# Altium PCB DSP-V1.0.PcbDoc (part 2 of 2)
Units mil, origin at the board's own origin, x right, y up, seen from the top; angles counter-clockwise.
Board outline 3779.53 x 1968.5 mil, 2 copper layers (Top Layer, Bottom Layer); 226 components, 113 nets, 562 pads, 492 vias.
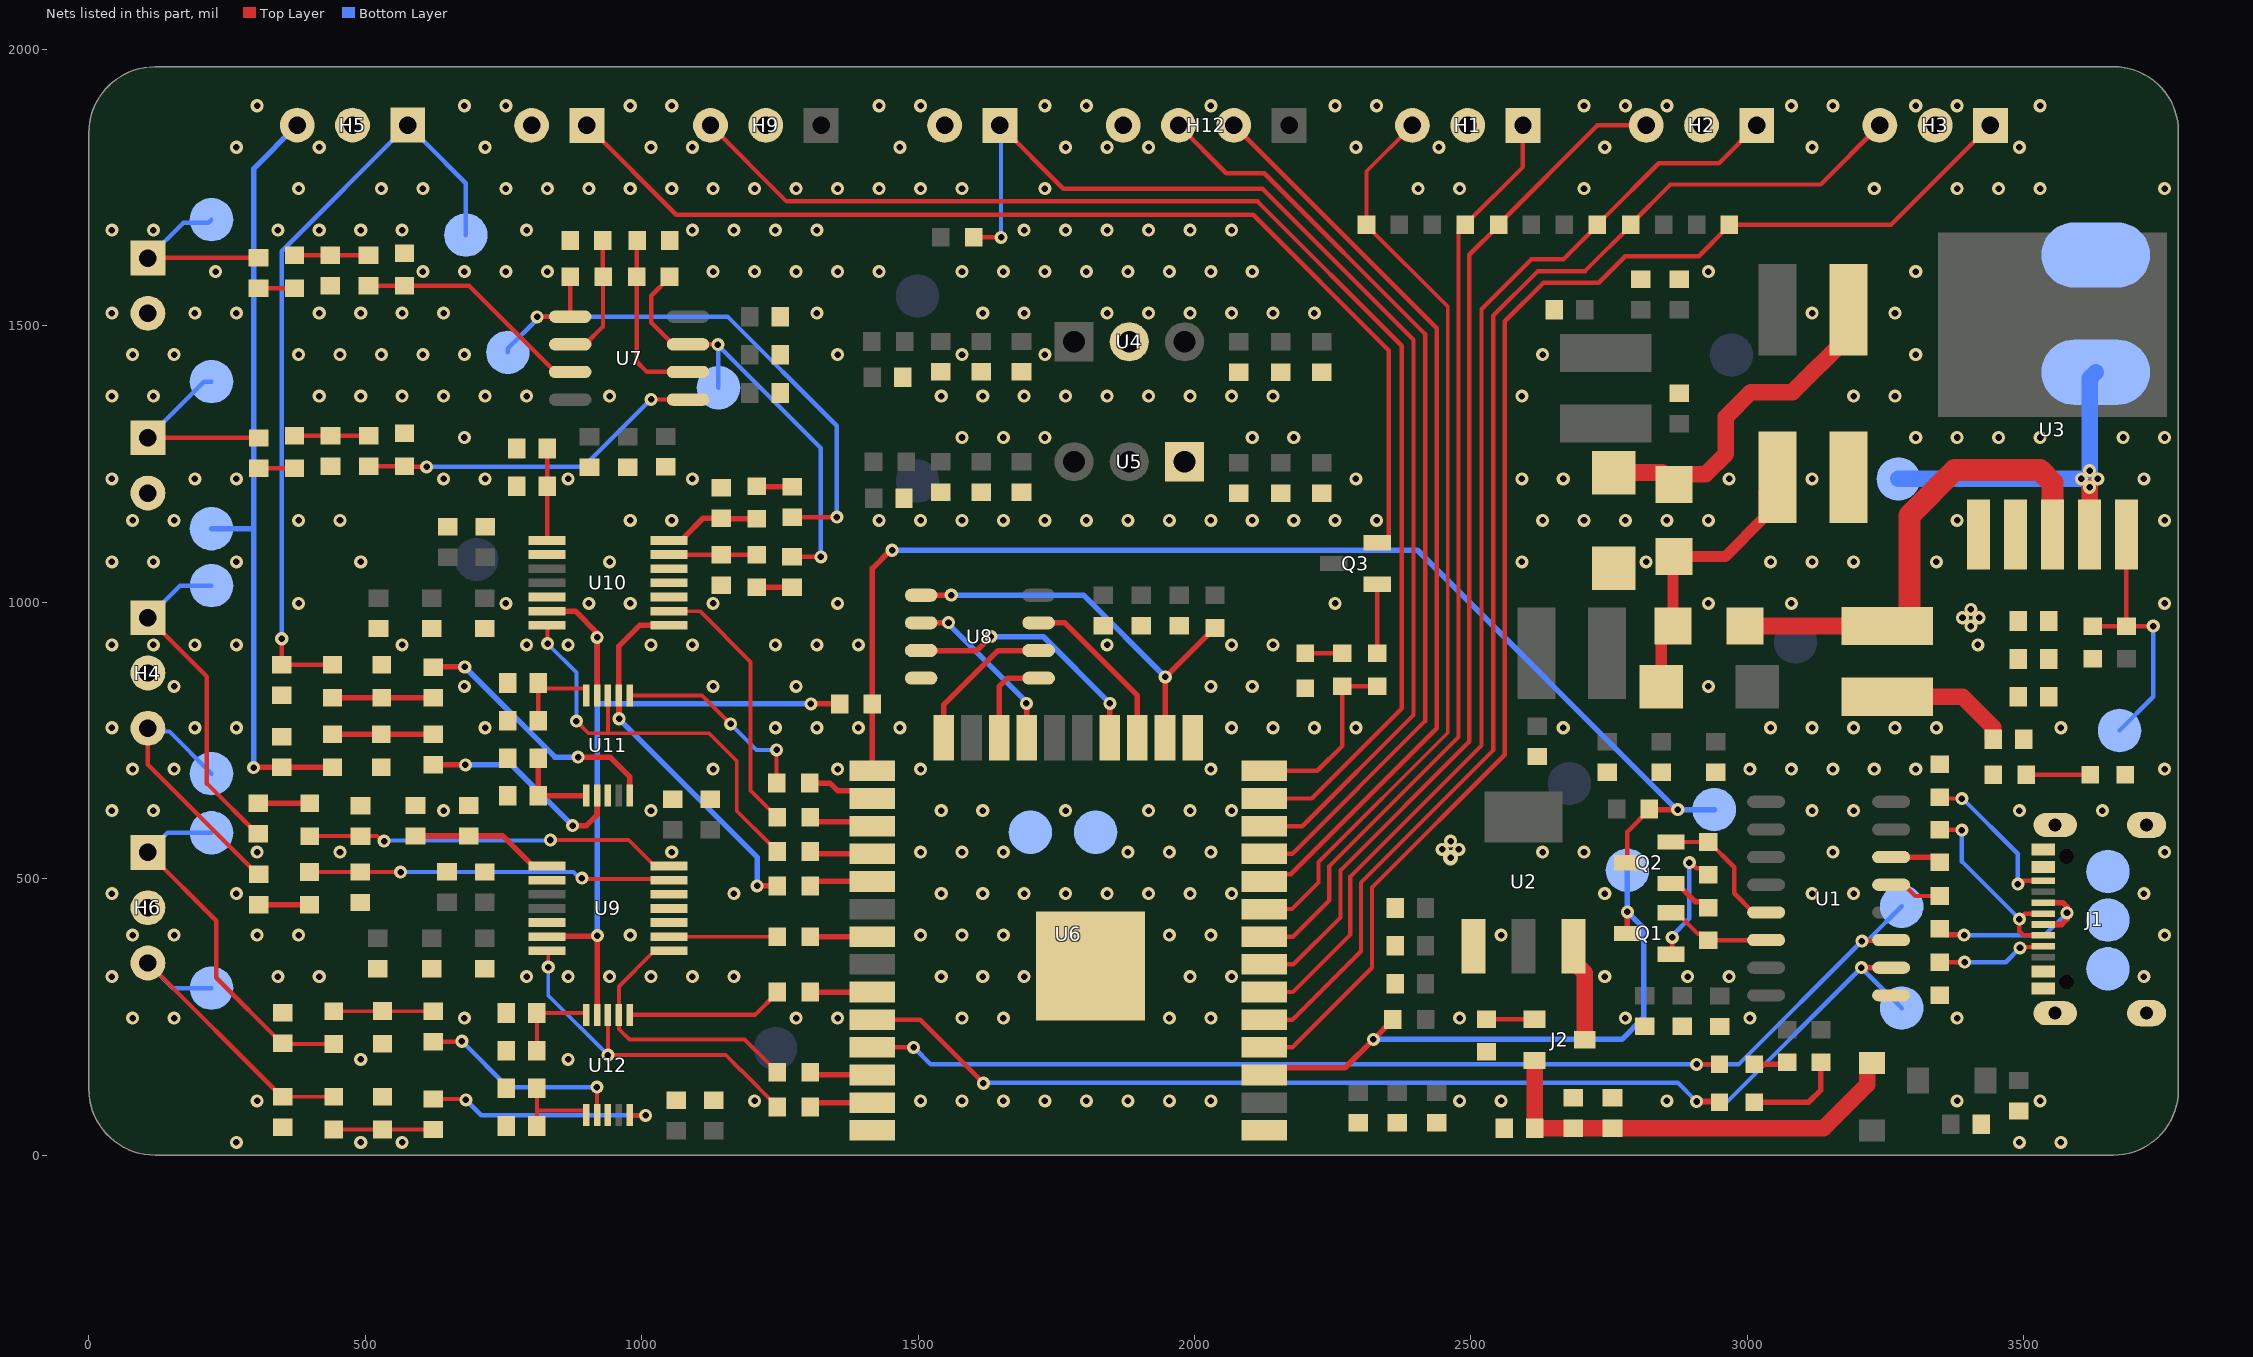
[diagram p2: the nets of this part, all layers, seen from the top]

## Via types
v1: diameter 23.62, hole 11.81, Top Layer to Bottom Layer, tented both sides, 491 vias
v2: diameter 27.56, hole 11.81, Top Layer to Bottom Layer, tented both sides, 1 vias

## Nets (pads, with @x,y where several pads share a name; then routed paths per layer and width w, separated by ;. In a path a pad name is that pad's centre, name@x,y a point inside that pad or via, vN(x,y) a via of type N, cw(c..) or ccw(c..) an arc to the next point about the centre after c; other vN are vias at no path point) (continued)
A1: H1.3 R25.1 U6.9 | length 1679.6
  Top Layer w7: U6.9@2125.98,445 2176,445 2224,493 2224,530 2458,764 2458,1534.59 2311,1681.59 R25.1@2311,1682.72 2311,1779.51 H1.3@2394,1862.5
A2: H2.3 R27.1 U6.7 | length 1886.5
  Top Layer w8: U6.7@2125.98,345 2179,345 2264,430 2264,515 2497,748 2497,1628.59 2550,1681.59 R27.1@2550,1682.72 2550,1683.86 2728.65,1862.5 H2.3@2817,1862.5
A3: H3.3 R29.1 U6.5 | length 2317.9
  Top Layer w8: U6.5@2125.98,245 2177,245 2301,369 2301,493 2540,732 2540,1518 2621,1599 2706.41,1599 2789,1681.59 R29.1@2789,1682.72 2789,1683.86 2860.71,1755.57 3132.59,1755.57 H3.3@3239.53,1862.5
AOUTL-C1: C95.1 H6.1 R54.2 TP28.1 | length 669.6
  Top Layer w7: C95.1@352.42,201.03 R54.2@443,201.03
  Top Layer w8: H6.1@107,547.5 230.53,423.97 230.53,320.94 350.45,201.03 C95.1@352.42,201.03
  Bottom Layer w8: H6.1@107,547.5 142.5,583 TP28.1@222,583
AOUTL-C2: C85.1 H5.3 R50.2 TP26.1 | length 1414.1
  Top Layer w10: v1(298,701) 298.93,701.92 C85.1@349,701.92 R50.2@441,701.92
  Bottom Layer w10: TP26.1@222,1133 298,1133 ; v1(298,701) 298,1133 ; H5.3@377,1863 298,1784 298,1133
AOUTR-C1: C93.1 H6.3 R52.2 TP27.1 | length 570
  Top Layer w7: C93.1@351,105.66 R52.2@443,105.66
  Top Layer w8: H6.3@107,347.5 107.19,347.5 349.03,105.66 C93.1@351,105.66
  Bottom Layer w8: H6.3@107,347.5 152.5,302 TP27.1@222,302
AOUTR-C2: C83.1 H5.1 R46.2 TP25.1 | length 1405.3
  Top Layer w8: v1(349,934) C83.1@349,886.66 R46.2@441,886.66
  Bottom Layer w8: v1(349,934) 349,1635 H5.1@577,1863 604.5,1835.5 682,1758 TP25.1@682,1664
B1: H1.1 R24.2 U6.8 | length 1691.8
  Top Layer w8: U6.8@2125.98,395 2178,395 2244,461 2244,523 2477.45,756.44 2477.45,1670.85 R24.2@2489.32,1682.72 2594,1787.4 H1.1@2594,1862.5
B2: H2.1 R26.2 U6.6 | length 2065.3
  Top Layer w8: U6.6@2125.98,295 2178,295 2282,399 2282,504 2519,741 2519,1530 2609,1620 2666.73,1620 2728.32,1681.59 2728.32,1683.86 2740.2,1695.73 2741.33,1695.73 2839.6,1794 2948.5,1794 H2.1@3017,1862.5
B3: H3.1 R28.2 U6.4 | length 2549.1
  Top Layer w8: U6.4@2125.98,195 2177,195 2321,339 2321,484 2561,724 2561,1508 2631,1578 2731,1578 2779,1626 2911.73,1626 2967.32,1681.59 R28.2@2967.32,1682.72 3259.75,1682.72 H3.1@3439.53,1862.5
BCK-1: R18.2 U9.8 U12.2 | length 513.5
  Top Layer w7: U9.8@1049.24,369.41 1044.86,365.04 1019.04,365.04 958.69,304.69 U12.2@958.69,253.55 959.29,252.95 959.29,227.71 978,209 1186.34,209 1231.83,163.51 1232.97,163.51 1245.34,151.13 R18.2@1245.34,150
BCK-2: R21.2 U10.8 U11.2 | length 679.8
  Top Layer w10: v1(959.31,789.31) 959,789.63 959,831.24 U11.2@958.69,831.55 958.69,920.69 996.24,958.23 U10.8@1049.24,958.23 ; v1(1209,487) R21.2@1245.34,487
  Bottom Layer w10: v1(959.31,789.31) 959.31,788.69 1209,539 v1(1209,487)
BUTTON_STATUS: H10.1 R30.1 U6.12 | length 2193.5
  Top Layer w8: R30.1@1600.66,1660 v1(1650,1660) ; H10.1@1648,1862.5 1762.5,1748 2123,1748 2396,1475 2396,796 2195,595 U6.12@2125.98,595
  Bottom Layer w8: H10.1@1648,1862.5 1650,1860.5 v1(1650,1660)
CE_PSRAM64H: R33.1 U6.16 U8.1 | length 739.8
  Top Layer w10: U8.1@1505.48,1012.69 1559.69,1012.69 v1(1560,1013) ; U6.16@1946.65,754.85 1947,755.2 v1(1947,865) 1947.5,865 2035.87,953.37 R33.1@2037,953.37
  Bottom Layer w10: v1(1560,1013) 1799,1013 v1(1947,865)
D_N: R5.2 U1.6 | length 91.8
  Top Layer w10: U1.6@3259.98,539 3338.12,539 R5.2@3347.78,529.34
D_P: R4.2 U1.5 | length 96.2
  Top Layer w8: U1.5@3259.98,489 3283.31,489 3303.65,468.66 R4.2@3347.78,468.66
DOUT-1: R44.1 U6.31 | length 112.7
  Top Layer w10: R44.1@1304.66,395 U6.31@1417.33,395
DOUT-2: R45.1 U6.27 | length 119.3
  Top Layer w7: R45.1@1304.66,611 R45.1@1312.66,603 ; U6.27@1409.33,603 U6.27@1417.33,595
  Top Layer w10: R45.1@1312.66,603 U6.27@1409.33,603
DTR_CH340: Q2.2 R7.1 U1.13 | length 252.6
  Top Layer w8: Q2.2@2861.63,566.32 R7.1@2929.26,566.32 2930.39,566.32 2976,520.71 2976,473.47 3010.47,439 U1.13@3033.8,439
EN: Q1.3 R13.2 TP9.1 U6.3 | length 1097.4
  Top Layer w10: U6.3@2125.98,145 2138.98,158 2272.09,158 v1(2323.54,209.46) 2358.46,244.37 R13.2@2358.46,245.5 ; Q1.3@2782.89,400.92 2783,401.03 v1(2783,440)
  Bottom Layer w10: v1(2323.54,209.46) 2772.95,209.46 2812.18,248.69 2812.18,410.82 v1(2783,440) 2782.95,440.05 2782.95,515.09 TP9.1@2782.89,515.14
GND: C1.1 C2.1 C3.1 C4.1 C5.1 C6.1 C7.1 C8.1 C9.1 C10.1 C11.1 C12.1 C13.2 C14.1 C15.1 C16.1 C17.2 C20.2 C21.1 C22.1 C23.1 C24.1 C25.1 C26.1 C27.2 C28.1 C29.1 C30.1 C31.1 C32.1 C33.1 C34.1 C35.1 C36.1 C37.1 C38.1 C39.1 C40.1 C41.1 C42.1 C47.1 C48.1 C49.1 C50.2 C51.2 C52.1 C53.1 C54.1 C55.1 C56.1 C57.1 C58.1 C59.1 C61.1 C62.1 C64.1 C65.1 C66.1 C67.1 C68.1 C69.1 C70.2 C71.2 C72.1 C73.1 C74.1 C75.1 C78.2 C79.2 C81.1 C82.1 C83.2 C85.2 C86.1 C87.1 C88.1 C89.1 C91.1 C92.1 C93.2 C95.2 C96.1 C97.1 C98.1 C99.1 D3.1 D4.1 D8.1 H1.2 H2.2 H3.2 H4.2 H5.2 H6.2 H7.2 H8.2 H9.2 H10.2 H11.2 H12.4 J1.1 J1.12 J1.13 J1.14 L4.1 R1.2 R2.2 R3.2 R12.1 R34.1 R35.1 R36.1 R38.1 R48.1 R51.1 R53.1 R55.1 SP2.1 TP5.1 TP11.1 TP13.1 TP15.1 TP16.1 U1.1 U2.1 U3.1 U4.2 U5.1 U6.1 U6.15 U6.38 U6.39 U8.4 U9.2 U9.5 U9.10 U9.11 U9.12 U10.2 U10.5 U10.10 U10.11 U10.12 U11.8 U12.8
  other v1: 266.89,23 491.89,23 566.89,23 3491.89,23 3566.89,23 304.39,98 1204.39,98 1504.39,98 1579.39,98 1654.39,98 1729.39,98 1804.39,98 1879.39,98 1954.39,98 2029.39,98 2479.39,98 2554.39,98 2854.39,98 3379.39,98 3529.39,98 491.89,173 866.89,173 79.39,248 154.39,248 679.39,248 1279.39,248 1354.39,248 1579.39,248 1654.39,248 1954.39,248 2029.39,248 2479.39,248 2779.39,248 3004.39,248 3379.39,248 41.89,323 341.89,323 416.89,323 791.89,323 866.89,323 941.89,323 1016.89,323 1091.89,323 1166.89,323 1541.89,323 1616.89,323 1691.89,323 1991.89,323 2066.89,323 2741.89,323 2891.89,323 2966.89,323 3716.89,323 79.39,398 154.39,398 304.39,398 379.39,398 979.39,398 1504.39,398 1579.39,398 1654.39,398 1954.39,398 2029.39,398 2554.39,398 3754.39,398 41.89,473 266.89,473 1166.89,473 1541.89,473 1616.89,473 1691.89,473 1766.89,473 1841.89,473 1916.89,473 1991.89,473 2066.89,473 2741.89,473 3116.89,473 3191.89,473 3716.89,473 304.39,548 454.39,548 1054.39,548 1504.39,548 1579.39,548 1654.39,548 1879.39,548 1954.39,548 2029.39,548 2629.39,548 2704.39,548 3154.39,548 3754.39,548 2448,553 2478,553 2463,568 41.89,623 116.89,623 641.89,623 1016.89,623 1541.89,623 1616.89,623 1766.89,623 1916.89,623 1991.89,623 2066.89,623 3116.89,623 3191.89,623 3491.89,623 3641.89,623 79.39,698 154.39,698 1129.39,698 1354.39,698 1504.39,698 2029.39,698 3004.39,698 3079.39,698 3154.39,698 3229.39,698 3304.39,698 3754.39,698 41.89,773 191.89,773 266.89,773 716.89,773 1241.89,773 1316.89,773 1391.89,773 1466.89,773 2066.89,773 2141.89,773 2216.89,773 2291.89,773 2666.89,773 3041.89,773 3116.89,773 3191.89,773 3266.89,773 3341.89,773 3566.89,773 154.39,848 679.39,848 1129.39,848 1279.39,848 2029.39,848 2104.39,848 2929.39,848 41.89,923 116.89,923 191.89,923 266.89,923 566.89,923 791.89,923 866.89,923 1016.89,923 1091.89,923 1241.89,923 1316.89,923 1391.89,923 1841.89,923 2066.89,923 2141.89,923 3416.89,923 3404,957 3389,972 3419,972 3404,987 379.39,998 754.39,998 904.39,998 979.39,998 1129.39,998 1354.39,998 2254.39,998 2929.39,998 3079.39,998 3754.39,998 41.89,1073 116.89,1073 266.89,1073 491.89,1073 941.89,1073 2591.89,1073 2816.89,1073 3041.89,1073 3116.89,1073 3191.89,1073 3341.89,1073 79.39,1148 154.39,1148 379.39,1148 454.39,1148 979.39,1148 1054.39,1148 1429.39,1148 1504.39,1148 1579.39,1148 1654.39,1148 1729.39,1148 1804.39,1148 1879.39,1148 1954.39,1148 2029.39,1148 2104.39,1148 2179.39,1148 2254.39,1148 2329.39,1148 2629.39,1148 2704.39,1148 2779.39,1148 2854.39,1148 2929.39,1148 3379.39,1148 3754.39,1148 41.89,1223 191.89,1223 266.89,1223 641.89,1223 716.89,1223 866.89,1223 1091.89,1223 2291.89,1223 2591.89,1223 2666.89,1223 2966.89,1223 3116.89,1223 3716.89,1223 679.39,1298 1579.39,1298 1654.39,1298 1729.39,1298 2104.39,1298 2179.39,1298 3304.39,1298 3379.39,1298 3454.39,1298 3529.39,1298 3679.39,1298 3754.39,1298 41.89,1373 116.89,1373 416.89,1373 491.89,1373 566.89,1373 641.89,1373 716.89,1373 791.89,1373 941.89,1373 1541.89,1373 1616.89,1373 1691.89,1373 1766.89,1373 1841.89,1373 1916.89,1373 1991.89,1373 2066.89,1373 2141.89,1373 2591.89,1373 3191.89,1373 3266.89,1373 79.39,1448 154.39,1448 379.39,1448 454.39,1448 529.39,1448 604.39,1448 679.39,1448 1354.39,1448 1579.39,1448 1729.39,1448 2629.39,1448 3304.39,1448 41.89,1523 191.89,1523 266.89,1523 416.89,1523 491.89,1523 566.89,1523 641.89,1523 1316.89,1523 1616.89,1523 1691.89,1523 1841.89,1523 1916.89,1523 1991.89,1523 2066.89,1523 2141.89,1523 2216.89,1523 3116.89,1523 3266.89,1523 229.39,1598 604.39,1598 679.39,1598 754.39,1598 829.39,1598 1129.39,1598 1204.39,1598 1279.39,1598 1354.39,1598 1429.39,1598 1579.39,1598 1654.39,1598 1729.39,1598 1804.39,1598 1879.39,1598 1954.39,1598 2029.39,1598 2104.39,1598 2929.39,1598 3304.39,1598 41.89,1673 116.89,1673 341.89,1673 416.89,1673 491.89,1673 566.89,1673 791.89,1673 1091.89,1673 1166.89,1673 1241.89,1673 1316.89,1673 1691.89,1673 1766.89,1673 1841.89,1673 1916.89,1673 1991.89,1673 2066.89,1673 379.39,1748 529.39,1748 604.39,1748 754.39,1748 829.39,1748 904.39,1748 979.39,1748 1054.39,1748 1129.39,1748 1204.39,1748 1279.39,1748 1354.39,1748 1429.39,1748 1504.39,1748 1579.39,1748 1729.39,1748 2404.39,1748 2479.39,1748 2704.39,1748 3229.39,1748 3379.39,1748 3454.39,1748 3529.39,1748 3754.39,1748 266.89,1823 416.89,1823 716.89,1823 1016.89,1823 1091.89,1823 1466.89,1823 1766.89,1823 1841.89,1823 1916.89,1823 2291.89,1823 2441.89,1823 2741.89,1823 3116.89,1823 3491.89,1823 304.39,1898 679.39,1898 754.39,1898 979.39,1898 1054.39,1898 1429.39,1898 1504.39,1898 1729.39,1898 1804.39,1898 2029.39,1898 2254.39,1898 2329.39,1898 2704.39,1898 2779.39,1898 2854.39,1898 3079.39,1898 3154.39,1898 3304.39,1898 3379.39,1898 3529.39,1898
  other v2: 2463,538
I2C1_SCL: H12.3 U6.11 | length 1692.8
  Top Layer w8: H12.3@1971,1862.5 2057.5,1776 2126,1776 2417,1485 2417,785.02 2176.98,545 U6.11@2125.98,545
I2C1_SDA: H12.2 U6.10 | length 1669.3
  Top Layer w8: H12.2@2071,1862.5 2438,1495.5 2438,772 2173.99,507.99 2138.97,507.99 U6.10@2125.98,495
IN-MIC1: C45.2 H7.1 TP19.1 | length 344
  Top Layer w8: H7.1@107,1622.5 107.54,1623.05 C45.2@307,1623.05
  Bottom Layer w8: H7.1@107,1622.5 170.63,1686.13 216.14,1686.13 TP19.1@222,1692
IN-MIC2: C43.2 H8.1 TP18.1 | length 357.4
  Top Layer w8: H8.1@107,1297.5 306.86,1297.5 C43.2@307.22,1297.14
  Bottom Layer w8: H8.1@107,1297.5 208.5,1399 TP18.1@222,1399
IO0: Q2.3 R14.2 R17.1 TP10.1 U6.25 | length 2261
  Top Layer w8: Q2.3@2782.89,528.92 2782.89,585.1 R14.2@2822.66,624.87
  Top Layer w10: U6.25@1417.33,695 R17.1@1417.33,816 1417.33,1061.33 1450,1094 v1(1453,1094) ; R14.2@2822.66,626 2823.66,625 v1(2874,625)
  Bottom Layer w10: v1(1453,1094) 2403,1094 2872,625 v1(2874,625) TP10.1@2940,625
IR1838B: H9.3 U6.13 | length 2388.1
  Top Layer w8: H9.3@1124.53,1862.5 1262.03,1725 2114,1725 2375,1464 2375,808 2212,645 U6.13@2125.98,645
LED_STATUS: R47.1 R49.1 U6.14 | length 331.4
  Top Layer w8: U6.14@2125.98,695 2222,695 2267,740 R49.1@2267,848.34 R47.1@2330.37,848.34
LED_STATUS_NPN: H11.1 Q3.2 | length 1981.9
  Top Layer w8: H11.1@901,1862.5 1062.5,1701 2106,1701 2351,1456 2351,1173 ; Q3.2@2330.37,1107.4 2341.2,1107.4 2350.98,1117.18 2350.98,1172.97
MCLK: R17.2 U9.6 U10.6 U11.4 U12.4 | length 1432.6
  Top Layer w10: U9.6@828.76,395 829.76,396 919,396 v1(920,397) 919.66,396.66 919.66,253.89 U12.4@919.32,253.55 ; U10.6@828.76,983.82 880.18,983.82 919.32,944.68 v1(919.32,936.58) U11.4@919.32,831.55 ; v1(1306,816) R17.2@1358.01,816
  Bottom Layer w10: v1(920,397) 920,816 ; v1@920,935.89 920,816 ; v1(1306,816) 920,816
NetC18_1: C18.1 D4.2 L2.1 | length 631.4
  Top Layer w30: D4.2@2758.53,1234.62 2845.87,1234.62 C18.1@2867.53,1212.96 2885.99,1231.43 2924.43,1231.43 2961,1268 2961,1335 3006,1380 3081.74,1380 3182.51,1480.77 L2.1@3182.51,1529
NetC18_2: C18.2 C19.1 D5.2 L4.2 | length 520.4
  Top Layer w20: D5.2@2844.11,847 2844.11,935.34 C19.1@2865.77,957 2865.77,1081.28 C18.2@2867.53,1083.04 2960.04,1083.04 3030.1,1153.1 3030.1,1201.55 L4.2@3054.55,1226
NetC19_2: C19.2 L5.2 U3.3 | length 884.5
  Top Layer w30: C19.2@2995.69,957 L5.2@3252.53,956.96
  Top Layer w40: L5.2@3252.53,956.96 3278.55,956.96 3293,971.41 3293,1157 3375,1239 3529,1239 3551.69,1216.31 3551.69,1199.26 3551.53,1199.1 U3.3@3551.53,1122.87
NetC43_1: C43.1 R31.1 | length 65
  Top Layer w8: C43.1@307.22,1242.02 R31.1@372.22,1242.02
NetC44_1: C44.1 C50.1 R31.2 | length 134
  Top Layer w8: R31.2@372.22,1301.34 C50.1@437.22,1301.34 C44.1@506.22,1301.34
NetC44_2: C44.2 R34.2 U7.5 | length 628.8
  Top Layer w8: C44.2@506.22,1246.22 R34.2@571.22,1246.22 572.44,1245 v1(611,1245) ; v1(1017,1367) 1017.23,1366.77 1083.58,1366.77 U7.5@1083.81,1366.53
  Bottom Layer w8: v1(611,1245) 895,1245 v1(1017,1367)
NetC45_1: C45.1 R32.1 | length 65
  Top Layer w8: C45.1@307,1567.92 R32.1@372,1567.92
NetC46_1: C46.1 C51.1 R32.2 | length 134
  Top Layer w8: R32.2@372,1627.24 C51.1@437,1627.24 C46.1@506,1627.24
NetC46_2: C46.2 R35.2 U7.3 | length 429.3
  Top Layer w8: C46.2@506,1572.12 R35.2@571,1572.12 688.02,1572.12 843.61,1416.53 U7.3@870.81,1416.53
NetC60_2: C60.2 R40.2 | length 93
  Top Layer w10: C60.2@306.5,636.27 R40.2@399.5,636.27
NetC63_2: C63.2 R41.2 | length 64.5
  Top Layer w10: R41.2@1208,1210.16 1209.1,1209.06 C63.2@1272,1209.06
NetC70_1: C70.1 R40.1 U9.14 | length 673.8
  Top Layer w7: R40.1@399.5,576.95 521.59,576.95 530.54,568 v1(534,568) ; v1(835,570) 976.61,570 1023.65,522.95 U9.14@1049.24,522.95
  Bottom Layer w7: v1(534,568) 535,569 834,569 v1(835,570)
NetC71_1: C71.1 R41.1 U10.14 | length 178
  Top Layer w10: U10.14@1049.24,1111.77 1074.83,1111.77 1077.71,1114.65 1077.71,1118.36 1111.28,1151.94 C71.1@1144,1151.94 1145.1,1150.84 R41.1@1208,1150.84
NetC72_2: C72.2 C73.2 U9.1 | length 260.2
  Top Layer w10: C73.2@591,577.22 C72.2@687.25,577.22 748.9,577.22 803.17,522.95 U9.1@828.76,522.95
NetC74_2: C74.2 C75.2 U10.1 | length 166.5
  Top Layer w8: U10.1@828.76,1111.77 829.37,1112.38 C74.2@829.37,1210 C75.2@829.37,1278
NetC76_2: C76.2 R42.2 | length 92
  Top Layer w10: C76.2@307.25,452.75 R42.2@399.25,452.75
NetC77_2: C77.2 R43.2 | length 64
  Top Layer w10: R43.2@1208,1026.86 C77.2@1272,1026.86
NetC78_1: C78.1 R42.1 U9.13 | length 656.1
  Top Layer w7: R42.1@399.25,512.07 C78.1@491.25,512.07 563.93,512.07 v1(564,512) ; v1(892,501) 893.82,499.18 1047.42,499.18 U9.13@1049.24,497.36
  Bottom Layer w7: v1(564,512) 876.5,512 887.5,501 v1(892,501)
NetC79_1: C79.1 R43.1 U10.13 | length 158.8
  Top Layer w8: U10.13@1049.24,1086.18 C79.1@1144,1086.18 R43.1@1208,1086.18
NetC80_1: C80.1 R46.1 R48.2 | length 182
  Top Layer w10: R46.1@441,827.34 622.9,827.34 C80.1@623,827.44
NetC80_2: C80.2 U11.10 | length 471.9
  Top Layer w10: C80.2@623,882.56 623.44,883 v1(680,883) ; v1(885,720) 943,720 978.37,684.63 U11.10@978.37,650.45
  Bottom Layer w10: v1(680,883) 843,720 v1(885,720)
NetC84_1: C84.1 R50.1 R51.2 | length 182
  Top Layer w10: R50.1@441,761.24 R51.2@529,761.24 C84.1@623,761.24
NetC84_2: C84.2 U11.7 | length 384.1
  Top Layer w10: C84.2@623,706.12 623.13,706 v1(681,706) ; v1(875,596) 900,596 919.32,615.32 U11.7@919.32,650.45
  Bottom Layer w10: v1@682,706 765,706 v1(875,596)
NetC86_2: C86.2 C87.2 U11.5 | length 169.3
  Top Layer w8: C87.2@813,786 C86.2@813,852.03 ; C86.2@813,854 C86.2@813,852.03 ; U11.5@899.63,831.55 899.63,842.1 897.73,844 821.03,844 C86.2@813,852.03
NetC88_2: C88.2 C89.2 U11.6 | length 154.8
  Top Layer w10: C89.2@813,718 C88.2@813,650 899.18,650 U11.6@899.63,650.45
NetC90_1: C90.1 R52.1 R53.2 | length 180.3
  Top Layer w7: R52.1@443,46.34 R53.2@531,46.34 C90.1@623.25,46.34
NetC90_2: C90.2 U12.10 | length 424.8
  Top Layer w8: C90.2@623.25,101.46 680.54,101.46 v1(682,100) ; U12.10@978.37,72.45 978.82,72 v1(1007,72)
  Bottom Layer w8: v1(682,100) 710,72 v1(1007,72)
NetC94_1: C94.1 R54.1 R55.2 | length 180.3
  Top Layer w7: R54.1@443,260.34 623.03,260.34 C94.1@623.25,260.56
NetC94_2: C94.2 U12.7 | length 381
  Top Layer w8: C94.2@623.25,205.44 674.44,205.44 v1(675,206) ; v1(919,123) 919.16,122.84 919.16,72.61 U12.7@919.32,72.45
  Bottom Layer w8: v1(675,206) 758,123 v1(919,123)
NetC96_2: C96.2 C97.2 U12.5 | length 159.1
  Top Layer w7: C97.2@810.56,189 C96.2@810.56,257 897.23,257 899.63,254.6 U12.5@899.63,253.55
NetC98_2: C98.2 C99.2 U12.6 | length 163.9
  Top Layer w7: C98.2@810.56,52.74 810.56,80.68 ; C99.2@810.56,120.74 810.56,80.68 ; U12.6@899.63,72.45 899.63,78.28 897.23,80.68 810.56,80.68
NetD3_2: D3.2 R6.1 | length 115.9
  Top Layer w8: R6.1@3504.19,688 D3.2@3620.05,688
NetD6_2: D6.2 R15.2 | length 179.6
  Top Layer w10: D6.2@3012.48,95.64 3110.64,95.64 3133,118 R15.2@3133,167.84
NetD7_2: D7.2 R16.2 | length 60.9
  Top Layer w10: D7.2@3012.48,164.64 3068.8,164.64 R16.2@3072,167.84
NetD8_2: D8.2 R49.2 | length 67.1
  Top Layer w8: D8.2@2199.86,907.66 R49.2@2267,907.66
NetJ1_4: J1.4 R2.1 | length 199.3
  Top Layer w8: R2.1@3347.78,348.66 3392.66,348.66 v1(3393,349) ; v1(3493,375) 3494.39,376.39 3533.63,376.39 J1.4@3535.02,377.79
  Bottom Layer w8: v1(3393,349) 3467,349 v1(3493,375)
NetJ1_5: J1.5 J1.7 R5.1 | length 359.8
  Top Layer w8: R5.1@3347.78,588.66 3387.34,588.66 v1(3388,588) ; J1.5@3535.02,397.47 3499.53,397.47 3492,405 v1(3492,427) 3501.84,436.84 J1.7@3535.02,436.84
  Bottom Layer w8: v1(3388,588) 3388,531 v1(3492,427)
NetJ1_6: J1.6 J1.8 R4.1 | length 366.6
  Top Layer w10: R4.1@3347.78,409.34 3348.91,409.34 3359.79,398.46 3391.54,398.46 v1(3392,398) ; J1.6@3535.02,417.16 3568.16,417.16 3578,427 v1(3578,438) 3578,449 3570.47,456.53 J1.8@3535.02,456.53
  Bottom Layer w8: v1(3392,398) 3538,398 v1(3578,438)
NetJ1_10: J1.10 R1.1 | length 287.1
  Top Layer w8: R1.1@3347.78,647.34 3350.12,645 v1(3388,645) ; v1(3489,490) 3493.23,490 3499.13,495.9 J1.10@3535.02,495.9
  Bottom Layer w8: v1(3388,645) 3389,645 3489,545 v1(3489,490)
NetJ2_1: J2.1 R3.1 | length 87
  Top Layer w8: R3.1@2528,245.91 J2.1@2615,245.91
NetJ2_3: J2.3 U2.3 | length 177.4
  Top Layer w30: U2.3@2685.55,377.57 2685.55,350.02 2705.55,330.02 J2.3@2705.55,208.5
NetQ1_1: Q1.1 R7.2 | length 222.7
  Top Layer w8: Q1.1@2861.63,363.52 2864,365.89 v1(2864,394) ; v1(2895,529) 2897.38,529 2907.5,518.88 2917.38,518.88 R7.2@2929.26,507
  Bottom Layer w8: v1(2864,394) 2864,397 2895,428 v1(2895,529)
NetQ2_1: Q2.1 R8.2 | length 85.8
  Top Layer w10: Q2.1@2861.63,491.52 2872.45,491.52 2905.52,458.46 2918.38,458.46 R8.2@2929.26,447.58
NetQ3_1: Q3.1 R47.2 | length 124.9
  Top Layer w8: R47.2@2330.37,907.66 Q3.1@2330.37,1032.6
NetR10_1: R10.1 R12.2 TP8.1 U3.5 | length 490
  Top Layer w8: R12.2@3624.53,956.74 R10.1@3685.39,956.74 ; U3.5@3685.39,1122.87 R10.1@3685.39,956.74 ; v1(3734,957) 3733.74,956.74 R10.1@3685.39,956.74
  Bottom Layer w8: TP8.1@3673,768 3734,829 v1(3734,957)
NetR18_1: R18.1 U6.36 | length 114.7
  Top Layer w10: R18.1@1304.66,150 1309.66,145 U6.36@1417.33,145
NetR19_1: R19.1 U6.37 | length 116
  Top Layer w10: R19.1@1304.66,87 1312.66,95 U6.37@1417.33,95
NetR20_1: R20.1 U6.33 | length 112.7
  Top Layer w10: R20.1@1304.66,295 U6.33@1417.33,295
NetR21_1: R21.1 U6.29 | length 116
  Top Layer w10: R21.1@1304.66,487 1312.66,495 U6.29@1417.33,495
NetR22_1: R22.1 U6.28 | length 114.3
  Top Layer w10: R22.1@1304.66,549 1308.66,545 U6.28@1417.33,545
NetR23_1: R23.1 U6.26 | length 125.3
  Top Layer w10: R23.1@1303.66,673 1340.62,673 1354.91,658.7 1403.63,658.7 U6.26@1417.33,645
NetR36_2: R36.2 R37.1 U7.6 | length 320.1
  Top Layer w8: R36.2@991.69,1654.4 991,1653.72 R37.1@991,1588.65 991,1435 1009.47,1416.53 U7.6@1083.81,1416.53
NetR38_2: R38.2 R39.1 U7.2 | length 228.5
  Top Layer w8: U7.2@870.81,1466.53 898.01,1466.53 930.13,1498.65 R39.1@930.13,1588.65 929.82,1588.97 R38.2@929.82,1654.4
NetR44_2: R44.2 U9.9 | length 196.1
  Top Layer w7: U9.9@1049.24,395 R44.2@1245.34,395
NetR45_2: R45.2 U10.9 | length 487.5
  Top Layer w7: U10.9@1049.24,983.82 1105.18,983.82 1197,892 1197,659.34 1231.83,624.51 1232.97,624.51 1245.34,612.13 R45.2@1245.34,611
OUT_MIC1: C63.1 R39.2 TP22.1 U7.1 | length 1087.7
  Top Layer w8: v1(811,1516) 811.27,1516.27 870.54,1516.27 U7.1@870.81,1516.53 R39.2@870.81,1588.65 ; C63.1@1272,1153.94 1349.94,1153.94 1350,1154 v1(1353,1154)
  Bottom Layer w8: TP22.1@758,1452 758,1458.77 811,1511.77 v1(811,1516) 1156,1516 1353,1319 v1(1353,1154)
OUT_MIC2: C77.1 R37.2 TP24.1 U7.7 | length 823.4
  Top Layer w8: R37.2@1050.32,1588.65 1050.32,1587.52 1017.35,1554.55 1017.35,1505.8 1056.61,1466.53 U7.7@1083.81,1466.53 1084.08,1466.27 1137.73,1466.27 v1(1138,1466) ; C77.1@1272,1081.98 v1(1324,1082)
  Bottom Layer w8: v1(1138,1466) 1138.5,1465.5 v1@1138.5,1464.5 ; TP24.1@1139,1388 1138.5,1388.5 v1@1138.5,1464.5 ; v1(1324,1082) 1324,1279 v1@1138.5,1464.5
RST_CH340: Q1.2 R8.1 U1.14 | length 193.2
  Top Layer w8: Q1.2@2861.63,438.32 2872.45,438.32 2910.64,400.14 2917.38,400.14 R8.1@2929.26,388.26 2930,389 U1.14@3033.8,389
RXD: D7.1 TP12.1 U1.3 U6.35 | length 2088.5
  Top Layer w8: U6.35@1417.33,195 v1(1492,195) ; v1(2908,164) 2908.37,164.37 D7.1@2949.52,164.37 ; v1(3207,387) 3208,388 3258.98,388 U1.3@3259.98,389
  Bottom Layer w8: v1(1492,195) 1523,164 2984,164 v1(3207,387) 3209.99,389.99 3218.97,389.99 TP12.1@3279,450.02
SCLK_PSRAM64H: U6.24 U8.6 | length 271.8
  Top Layer w10: U6.24@1546.65,754.84 1546.65,814.65 1644.69,912.69 U8.6@1718.08,912.69
SDIN-1: R20.2 U12.1 | length 284.8
  Top Layer w8: U12.1@978.37,253.55 1205.02,253.55 1245.34,293.87 R20.2@1245.34,295
SDIN-2: R23.2 U11.1 | length 366.6
  Top Layer w7: U11.1@978.37,831.55 1109.45,831.55 v1(1161,780) ; v1(1244,733) 1244,673.34 R23.2@1244.34,673
  Bottom Layer w7: v1(1161,780) 1208,733 v1(1244,733)
SIO0_PSRAM64H: U6.22 U8.5 | length 170.5
  Top Layer w10: U6.22@1646.65,754.84 1646.65,847.65 1661.69,862.69 U8.5@1718.08,862.69
SIO1_PSRAM64H: U6.21 U8.2 | length 316.5
  Top Layer w10: U8.2@1505.48,962.69 1505.63,962.85 1554.85,962.85 v1(1555,963) ; v1(1696,817) 1696,813 1696.65,812.35 U6.21@1696.65,754.84
  Bottom Layer w10: v1(1555,963) 1555,960.5 1696,819.5 v1(1696,817)
SIO2_PSRAM64H: U6.18 U8.3 | length 464.2
  Top Layer w10: U8.3@1505.48,912.69 1606.47,912.69 v1(1631.47,937.69) ; U6.18@1846.65,754.85 1846.65,816.65 v1(1847,817)
  Bottom Layer w10: v1(1631.47,937.69) 1726.31,937.69 v1(1847,817)
SIO3_PSRAM64H: U6.17 U8.7 | length 309.5
  Top Layer w10: U8.7@1718.08,962.69 1765.31,962.69 1896.65,831.35 U6.17@1896.65,754.85
TXD: D6.1 TP14.1 U1.2 U6.34 | length 2151.2
  Top Layer w8: U6.34@1417.33,245 1504,245 1618,131 v1(1618,130)
  Top Layer w10: v1(2908,97) 2947.89,97 D6.1@2949.52,95.37 ; v1(3206,339) U1.2@3259.98,339
  Bottom Layer w8: v1(1618,130) 1619.23,131.22 2873.78,131.22 v1(2908,97) 2964,97 v1(3206,339) TP14.1@3279,266
V-BUS: C1.2 C7.2 C8.2 C9.2 C24.2 C25.2 C26.2 D2.2 J1.2 J1.11 J2.2 L5.1 R6.2 SP1.1 TP3.1 U3.2 U3.4 | length 1665.3
  Top Layer w30: J2.2@2615,171.1 C7.2@2615,48.94 C9.2@2685,48.94 C8.2@2756,48.94 3137.94,48.94 3216.38,127.38 3216.38,152 3226.22,161.84 3226.22,165.31 D2.2@3225,166.53 ; L5.1@3252.53,829 3389,829 3444.12,773.88 3444.12,752.75 C1.2@3444.87,752 ; U3.4@3618.46,1122.87 3619,1123.41 v1(3619,1208)
  Bottom Layer w30: TP3.1@3273,1223 v1(3604,1223) ; v1(3619,1208) v1(3619,1238) 3619,1405 SP1.1@3630,1416
  other v1: 3634,1223
VINL-P1: C76.1 H4.3 TP23.1 | length 497.2
  Top Layer w8: H4.3@107,772 107,706.15 305.28,507.87 C76.1@307.25,507.87
  Bottom Layer w8: H4.3@107,772 112.81,766.19 145.81,766.19 TP23.1@222,690
VINR-P1: C60.1 H4.1 TP21.1 | length 613.7
  Top Layer w8: H4.1@107,972 213.64,865.36 213.64,672.04 304.54,581.15 C60.1@306.5,581.15
  Bottom Layer w8: H4.1@107,972 165.04,1030.04 TP21.1@222,1030.04
WS-1: R19.2 U9.7 U12.3 | length 652.6
  Top Layer w7: U9.7@828.76,369.41 831,367.16 v1(831,340) ; U12.3@939,253.55 v1(939,181) 1152,181 1180,153 1180.47,153 1245.34,88.13 R19.2@1245.34,87
  Bottom Layer w7: v1(831,340) 831,289 v1(939,181)
WS-2: R22.2 U10.7 U11.3 | length 778.7
  Top Layer w7: U10.7@828.76,958.23 830,956.98 v1(830,925) ; v1(882,785) 903.95,763.05 939,763.05 ; 939,763 939,763.05 ; U11.3@939,831.55 939,763.05 ; R22.2@1245.34,549 1245.34,550.13 1232.97,562.51 1231.83,562.51 1172,622.34 1172,713 1121.95,763.05 939,763.05
  Bottom Layer w7: v1(830,925) 882,873 v1(882,785)
pads on no net: J1. J1.3 J1.9 U1.7 U1.8 U1.9 U1.10 U1.11 U1.12 U1.15 U3.6 U6.19 U6.20 U6.23 U6.30 U6.32

## Polygon pours and split planes (outlines as drawn)
GND on Bottom Layer "GND_L02_P001" (solid, pour order 1): 0,120 0,1848.6 cw(c119.9,1848.6) 119.9,1968.5 3662.72,1968.5 cw(c3662.72,1851.7) 3779.53,1851.7 3779.53,117.8 cw(c3661.72,117.8) 3661.72,0 120,0 cw(c120,120)
GND on Top Layer "GND_L01_P000" (solid, pour order 0): 0,120 0,1848.6 cw(c119.9,1848.6) 119.9,1968.5 3662.72,1968.5 cw(c3662.72,1851.7) 3779.53,1851.7 3779.53,117.8 cw(c3661.72,117.8) 3661.72,0 120,0 cw(c120,120)

## Keep-outs
Keep-Out Layer:
  circle w4: c118.11,118.11 r62.99
  circle w4: c118.11,1850.39 r62.99
  circle w4: c3661.42,1850.39 r62.99
  circle w4: c3661.42,118.11 r62.99
  lines w10: 0,120 ccw(c120,120) 120,0 3661.72,0 ccw(c3661.72,117.8) 3779.53,117.8 3779.53,1851.7 ccw(c3662.72,1851.7) 3662.72,1968.5 119.9,1968.5 ccw(c119.9,1848.6) 0,1848.6 0,120

## Other copper
Top Layer:
  pour cut-out: 118.11,1748.03 cw(c118.11,1850.39) 15.75,1850.39 cw(c118.11,1850.39) 118.11,1952.76 cw(c118.11,1850.39) 220.47,1850.39 cw(c118.11,1850.39)
  pour cut-out: 3559.06,1850.39 ccw(c3661.42,1850.39) 3661.42,1748.03 ccw(c3661.42,1850.39) 3763.78,1850.39 ccw(c3661.42,1850.39) 3661.42,1952.76 ccw(c3661.42,1850.39)
  pour cut-out: 3559.06,118.11 ccw(c3661.42,118.11) 3661.42,15.75 ccw(c3661.42,118.11) 3763.78,118.11 ccw(c3661.42,118.11) 3661.42,220.47 ccw(c3661.42,118.11)
  pour cut-out: 15.75,118.11 ccw(c118.11,118.11) 118.11,15.75 ccw(c118.11,118.11) 220.47,118.11 ccw(c118.11,118.11) 118.11,220.47 ccw(c118.11,118.11)
  region net GND: 3404,1002 cw(c3404,972) 3434,972 cw(c3404,972) 3404,942 cw(c3404,972) 3374,972 cw(c3404,972)
  region net +3.3V: 2641.75,524.25 cw(c2641.75,494.25) 2671.75,494.25 cw(c2641.75,494.25) 2641.75,464.25 cw(c2641.75,494.25) 2611.75,494.25 cw(c2641.75,494.25)
  region net -15V-LC-FILTER: 2200,1335 cw(c2230,1335) 2230,1365 cw(c2230,1335) 2260,1335 cw(c2230,1335) 2230,1305 cw(c2230,1335)
  region net +15V-LC-FILTER: 2298,1372 cw(c2298,1402) 2268,1402 cw(c2298,1402) 2298,1432 cw(c2298,1402) 2328,1402 cw(c2298,1402)
  region net +15V-LC-FILTER: 2588.2,1029.8 cw(c2618.2,1029.8) 2618.2,1059.8 cw(c2618.2,1029.8) 2648.2,1029.8 cw(c2618.2,1029.8) 2618.2,999.8 cw(c2618.2,1029.8)
  region net -15V-LC-FILTER: 2629,1290 cw(c2629,1320) 2599,1320 cw(c2629,1320) 2629,1350 cw(c2629,1320) 2659,1320 cw(c2629,1320)
  region net -15V: 2866,1480 cw(c2866,1450) 2896,1450 cw(c2866,1450) 2866,1420 cw(c2866,1450) 2836,1450 cw(c2866,1450)
  region net GND: 2433,553 cw(c2463,553) 2463,583 cw(c2463,553) 2493,553 cw(c2463,553) 2463,523 cw(c2463,553)
  region net V-BUS: 3589,1223 cw(c3619,1223) 3619,1253 cw(c3619,1223) 3649,1223 cw(c3619,1223) 3619,1193 cw(c3619,1223)
  pour cut-out: 2583.45,1704.32 2585.52,1702.25 2588.45,1702.25 2588.45,1660.72 2630.2,1660.72 2630.2,1671.66 2630.69,1672.15 2647.09,1672.15 2647.47,1671.78 2648.01,1671.78 2648.01,1660.84 2648.13,1660.72 2687.4,1660.72 2687.4,1657.79 2689.47,1655.72 2662.93,1629.18 2605.2,1629.18 2511.37,1535.34 2506.18,1535.34 2506.18,1624.79 2541.96,1660.58 2570.74,1660.58 2571.59,1661.43 2571.59,1692.47
  region net V-BUS: 3201.38,146.84 3201.38,206.38 3218,223 3400,223 3428.99,251.99 3428.99,769.59 3474.22,814.82 3474.22,983.72 3463.93,994.01 3463.93,1186.06 3505.27,1186.06 3505.27,1045.73 3515.88,1035.12 3586.13,1035.12 3597.79,1046.79 3597.79,1186.06 3639.13,1186.06 3639.13,1035.12 3605,1001 3523,1001 3505.72,983.72 3505.72,811.28 3502.84,811.28 3460.94,769.39 3460.94,545.06 3472.7,533.3 3556.68,533.3 3556.68,510.66 3468.66,510.66 3460,502 3460,357 3473.66,343.34 3556.68,343.34 3556.68,320.7 3472.7,320.7 3460,308 3460,229 3417.21,186.21 3248.62,186.21 3248.62,146.84
Bottom Layer:
  pour cut-out: 117.75,1747.74 cw(c117.75,1850.11) 15.38,1850.11 cw(c117.75,1850.11) 117.75,1952.47 cw(c117.75,1850.11) 220.11,1850.11 cw(c117.75,1850.11)
  pour cut-out: 3559.1,1850.54 ccw(c3661.46,1850.54) 3661.46,1748.17 ccw(c3661.46,1850.54) 3763.82,1850.54 ccw(c3661.46,1850.54) 3661.46,1952.9 ccw(c3661.46,1850.54)
  pour cut-out: 3559.06,118.11 ccw(c3661.42,118.11) 3661.42,15.75 ccw(c3661.42,118.11) 3763.78,118.11 ccw(c3661.42,118.11) 3661.42,220.47 ccw(c3661.42,118.11)
  pour cut-out: 15.32,118.5 ccw(c117.69,118.5) 117.69,16.14 ccw(c117.69,118.5) 220.05,118.5 ccw(c117.69,118.5) 117.69,220.87 ccw(c117.69,118.5)
  region net GND: 3404,1002 cw(c3404,972) 3434,972 cw(c3404,972) 3404,942 cw(c3404,972) 3374,972 cw(c3404,972)
  region net +3.3V: 2641.75,524.25 cw(c2641.75,494.25) 2671.75,494.25 cw(c2641.75,494.25) 2641.75,464.25 cw(c2641.75,494.25) 2611.75,494.25 cw(c2641.75,494.25)
  region net -15V-LC-FILTER: 2200,1335 cw(c2230,1335) 2230,1365 cw(c2230,1335) 2260,1335 cw(c2230,1335) 2230,1305 cw(c2230,1335)
  region net +15V-LC-FILTER: 2298,1372 cw(c2298,1402) 2268,1402 cw(c2298,1402) 2298,1432 cw(c2298,1402) 2328,1402 cw(c2298,1402)
  region net +15V-LC-FILTER: 2588.2,1029.8 cw(c2618.2,1029.8) 2618.2,1059.8 cw(c2618.2,1029.8) 2648.2,1029.8 cw(c2618.2,1029.8) 2618.2,999.8 cw(c2618.2,1029.8)
  region net -15V-LC-FILTER: 2629,1290 cw(c2629,1320) 2599,1320 cw(c2629,1320) 2629,1350 cw(c2629,1320) 2659,1320 cw(c2629,1320)
  region net -15V: 2866,1480 cw(c2866,1450) 2896,1450 cw(c2866,1450) 2866,1420 cw(c2866,1450) 2836,1450 cw(c2866,1450)
  region net GND: 2433,553 cw(c2463,553) 2463,583 cw(c2463,553) 2493,553 cw(c2463,553) 2463,523 cw(c2463,553)
  region net V-BUS: 3589,1223 cw(c3619,1223) 3619,1253 cw(c3619,1223) 3649,1223 cw(c3619,1223) 3619,1193 cw(c3619,1223)

## Silkscreen, mask and mechanical layers (free items; w line width, h text height)
Bottom Overlay:
  text "STATUS BUTTON" at 1713,1707 h60
  text "OUTPUT STEREO 2" at 627,1706 h60
  text "LED STATUS" at 966,1706 h60
  text "IR REMOTE" at 1344.53,1706 h60
  text "HEADER SCREEN" at 2141,1706 h60
  text "VOLUME EC10" at 2614,1706 h60
  text "VOLUME EC10" at 3037,1706 h60
  text "VOLUME EC10" at 3459.53,1706 h60
  text "IM1" at 175,1675 h40
  text "OR2" at 697,1612 h40 r90
  text "GND" at 3511,1603 h60
  text "+12V" at 1643,1539 h40
  text "INPUT MICRO 1" at 408,1522.5 h60
  text "-V" at 3082,1432 h40
  text "OM1" at 773,1404 h40 r90
  text "VIN 5VDC" at 3511,1391 h60
  text "IM2" at 175,1384 h40
  text "OM2" at 1154,1338 h40 r90
  text "VBUS" at 3221,1208 h40
  text "-12V" at 1633,1204 h40
  text "INPUT MICRO 2" at 408,1197.5 h60
  text "OL2" at 175,1118 h40
  text "VADC" at 865,1062.5 h40
  text "IR" at 171.8,1015.04 h40
  text "+V" at 3194.85,913 h40
  text "INPUT AUX" at 478,822 h60
  text "FB" at 3620,753 h40
  text "IL" at 172,675 h40
  text "+3.3V" at 2624,657 h40
  text "GND" at 1807,637 h40
  text "IO0" at 3054.5,610 h40
  text "OL1" at 353,567 h40
  text "EN" at 2731,500.14 h40
  text "GND" at 3744,470 h40 r90
  text "RXD" at 3227,435.02 h40
  text "OUTPUT STEREO 1" at 478,397.5 h60
  text "OR1" at 353,286 h40
  text "TXD" at 3227,251 h40
  text "VDAC" at 1414,178 h40